# Allegro board STARRYSKY.brd (continued)
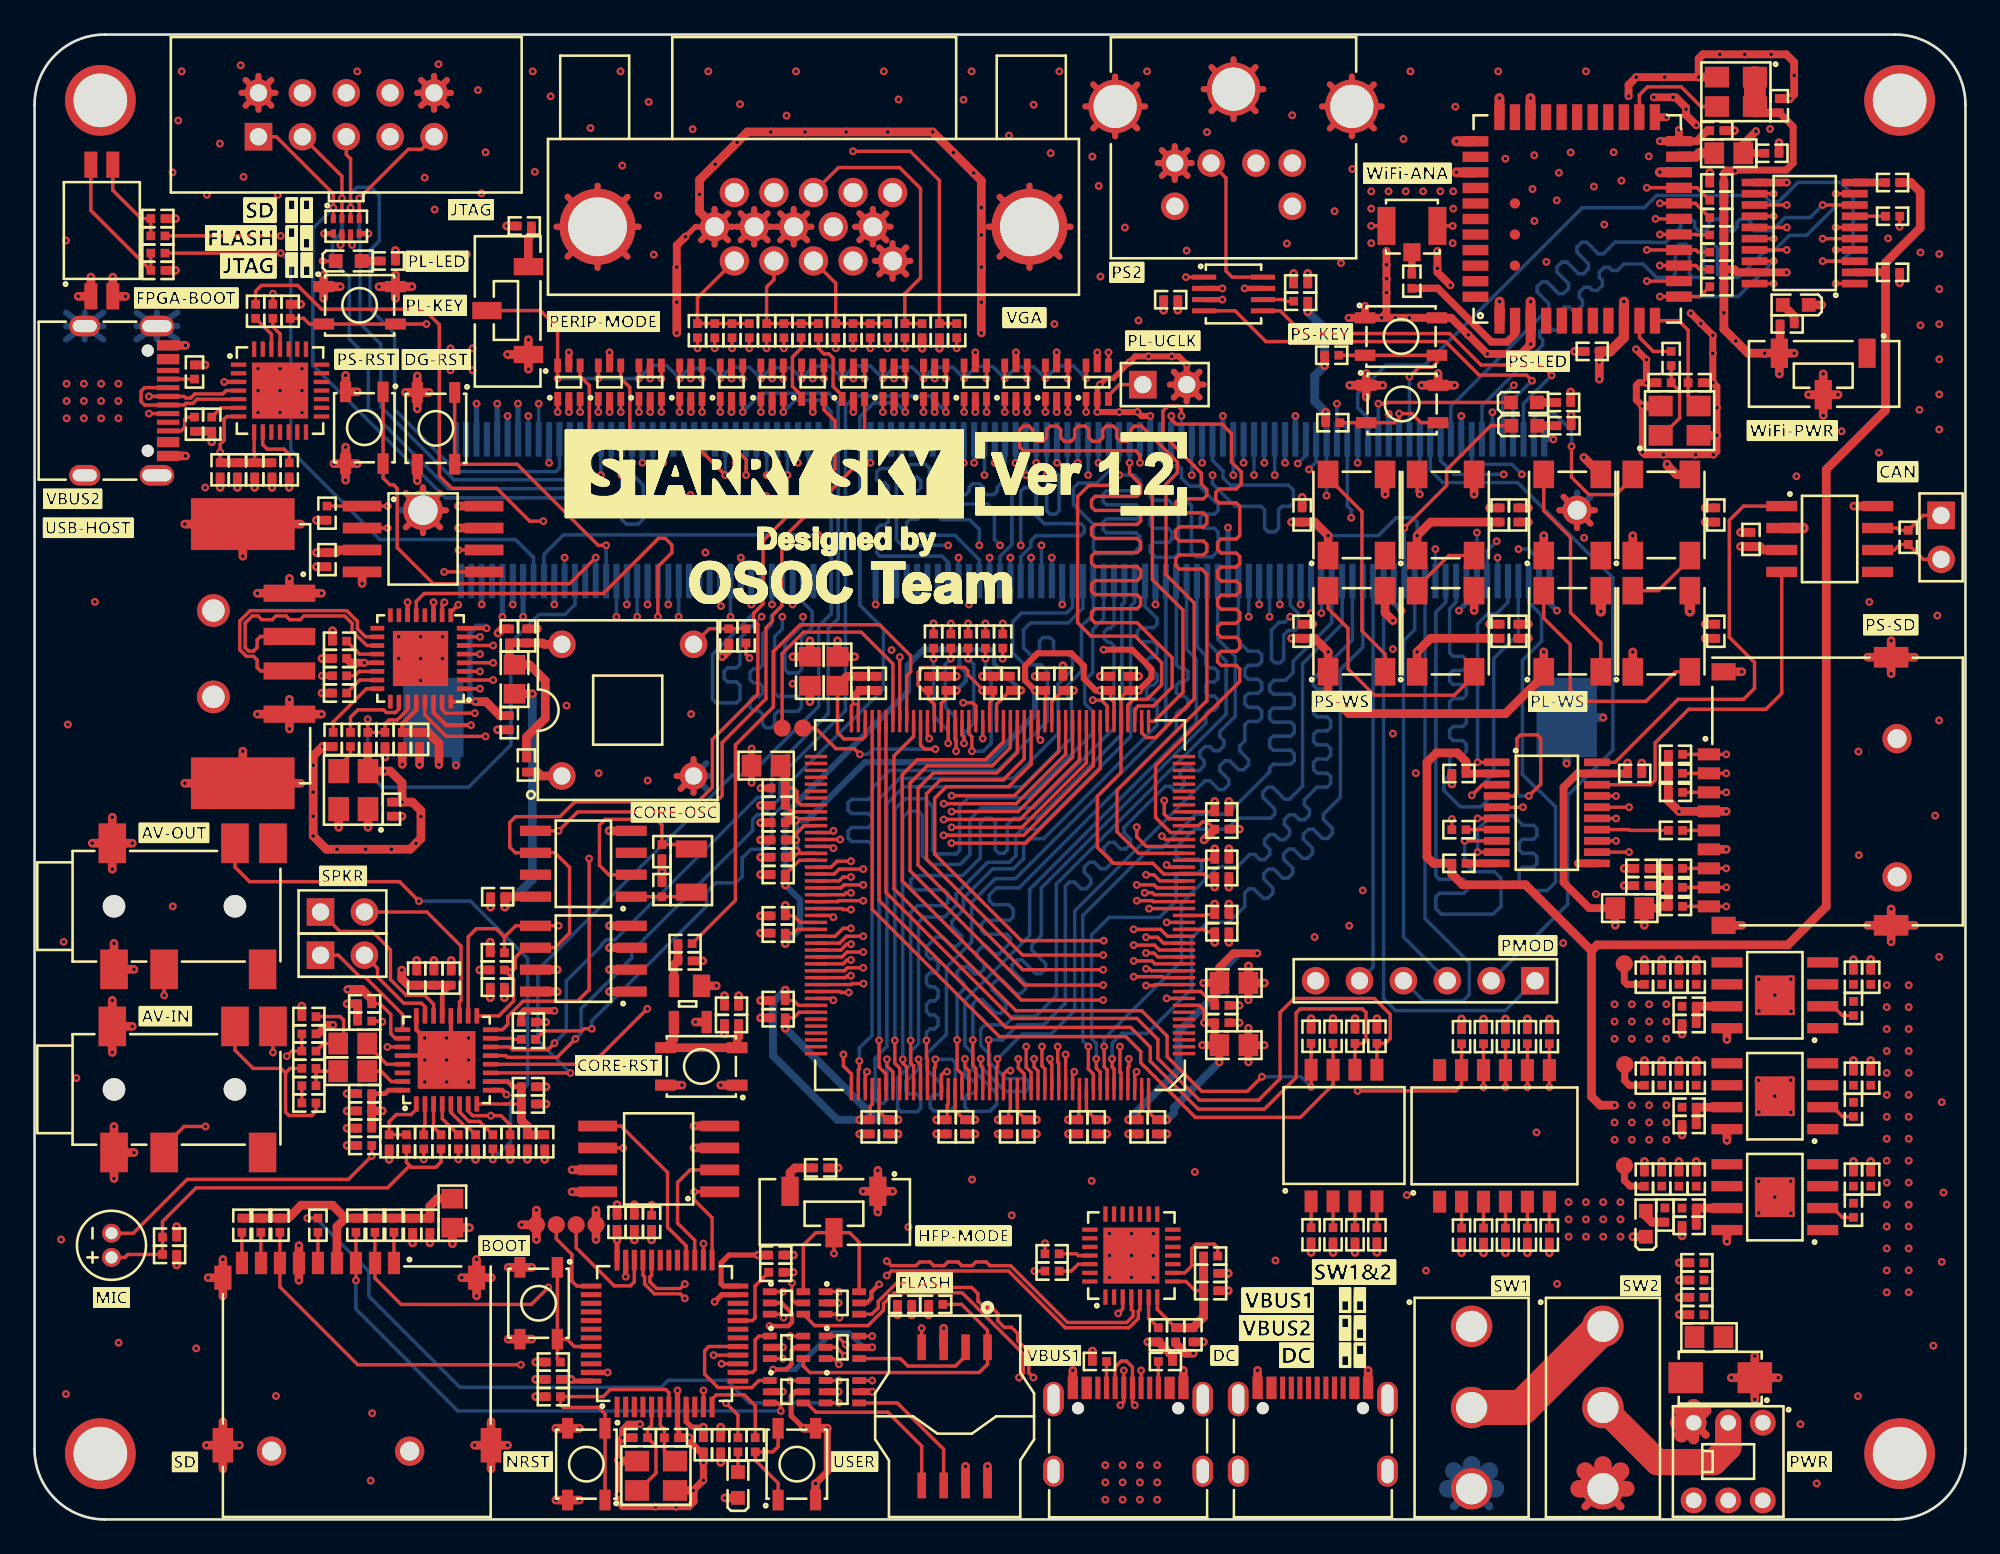
[diagram p0: board, top side]
## Routing (per net, layer and track width the routed paths; a pad name or vN(x,y) marks a point on that pad's centre or on a via; arc(x,y) is an arc through that point) (continued)
OSC_IN: length 14.2
  TOP w0.203: v1(41.38,49.87) 41.38,49.87 41.18,50.07 R6.2 ; v1(50.08,49.92) U3.81
  PWR04 w0.203: v1(41.38,49.87) 42.41,48.84 49,48.84 v1(50.08,49.92)
PL_I2C_SCL: length 57.2
  TOP w0.203: U29.17 26.87,29.15 27.73,30.01 27.73,31.27 R102.1 27.7,31.81 27.82,31.92 27.82,32.52 28.39,33.1 U21.6 30.12,33.1 30.97,33.94 30.97,37.75 30.12,38.59 U23.6 27.83,38.59 27.51,38.91 27.51,40.35 27.84,40.68 30.41,40.68 31.26,41.54 38.39,41.54 39.23,42.38 39.23,45.15 41.86,47.78 41.86,51.82 41.62,52.06 41.62,52.44 41.64,52.46 41.64,52.47 42.17,53 42.17,56.66 46.33,60.82 46.33,63.6 45.69,64.23 U32.3
PL_I2C_SDA: length 54.9
  TOP w0.203: U29.18 25.1,33.72 25.57,34.19 26.71,34.19 27.19,33.71 ; U23.5 v1(30.33,39.86) 31.43,40.96 38.85,40.96 39.8,41.9 39.8,44.97 42.33,47.51 42.33,51.62 42.71,52 42.71,52.35 43.25,52.89 43.25,56.73 48.04,61.52 U33.3 ; v1(30.33,34.37) U21.5 27.85,34.37 27.19,33.71 ; 27.19,33.71 R103.1
  ART03 w0.203: v1(30.33,39.86) v1(30.33,34.37)
PL_SPI_CLK: length 19.9
  TOP w0.203: U37.3 v1(38.63,64.1) ; U24.6 v1(24.54,56.12)
  ART03 w0.203: v1(24.54,56.12) 24.54,56.58 30.29,62.33 36.86,62.33 v1(38.63,64.1)
PL_SPI_CS: length 18.4
  TOP w0.203: R105.2 U24.1 v1(20.44,58.66) ; U34.3 v1(31.58,64.1)
  PWR04 w0.203: v1(20.44,58.66) 20.44,59.84 23.81,63.22 30.69,63.22 v1(31.58,64.1)
PL_SPI_MISO: length 19.5
  TOP w0.203: U35.3 v1(33.93,64.1) ; U24.2 v1(20.44,57.39)
  PWR04 w0.203: v1(33.93,64.1) 32.32,62.49 26.9,62.49 25.13,60.71 22.02,60.71 21.02,59.72 21.02,57.97 v1(20.44,57.39)
PL_SPI_MOSI: length 21.6
  TOP w0.203: U36.3 v1(36.28,64.1) ; U24.5 v1(23.71,54.85)
  PWR04 w0.203: v1(23.71,54.85) 23.71,55.95 24,56.24 24,58.85 24.53,59.37 25.15,59.37 27.5,61.72 33.89,61.72 v1(36.28,64.1)
PL_SW_SEL: length 54
  TOP w0.203: U27.6 v1(53.8,66.04) ; U31.6 v1(42.04,66.04) ; v1(30.28,66.04) U34.6 30.28,68.98 29.28,69.98 SW18.2 ; U35.6 v1(32.63,66.04) ; U33.6 v1(46.74,66.04) ; U39.6 v1(58.51,66.04) ; U38.6 v1(60.86,66.04) ; U28.6 v1(56.15,66.04) ; U25.6 v1(49.1,66.04) ; U26.6 v1(51.45,66.04) ; U36.6 v1(34.98,66.04) ; U32.6 v1(44.39,66.04) ; U30.6 v1(39.69,66.04) ; U37.6 v1(37.33,66.04)
  BOTTOM w0.203: v1(30.28,66.04) v1(32.63,66.04) v1(34.98,66.04) 35.73,66.79 36.58,66.79 v1(37.33,66.04) 37.91,66.62 39.11,66.62 v1(39.69,66.04) 40.33,66.69 41.4,66.69 v1(42.04,66.04) 42.65,66.66 43.78,66.66 v1(44.39,66.04) 45.11,66.76 46.03,66.76 v1(46.74,66.04) 47.48,66.78 48.37,66.78 v1(49.1,66.04) 49.76,66.7 50.79,66.7 v1(51.45,66.04) 52.09,66.69 53.16,66.69 v1(53.8,66.04) 54.49,66.73 55.47,66.73 v1(56.15,66.04) 56.82,66.71 57.84,66.71 v1(58.51,66.04) 59.23,66.77 60.14,66.77 v1(60.86,66.04)
PL_UCLK: length 2.4
  TOP w0.203: J15.1 62.79,65.69 62.16,65.06 U38.3
PL_ULED: length 55.3
  TOP w0.203: LED10.2 v1(16.67,72.84) ; U39.3 v1(59.81,64.1)
  ART03 w0.203: v1(16.67,72.84) 21.71,72.84 23.56,70.99 58.68,70.99 60.33,69.34 60.33,65.92 61.7,64.56 61.7,64.56 61.97,64.29 61.97,63.78 61.76,63.58 60.33,63.58 v1(59.81,64.1)
PLL_AVDD33: length 6.9
  TOP w0.203: C61.1 43.94,42.33 44.13,42.14 44.13,41.58 44.35,41.36 U3.96 ; U3.97 43.83,40.96 C62.1
  TOP w0.508: L4.1 43.45,43.36 C61.1 C62.1
PLL_CFG0: length 53.6
  TOP w0.203: U3.83 49.28,36.3 56.58,29 63.81,29 65.02,27.79 65.02,26.68 67.42,24.27 70.85,24.27 72.09,25.52 72.09,29.34 72.9,30.15 77.55,30.15 78.46,29.24 78.46,27.84 78.18,27.56 R23.1 SW4.5
PLL_CFG1: length 52.6
  TOP w0.203: SW4.6 R21.1 76.91,27.56 77.06,27.71 77.06,29.35 76.86,29.55 73.25,29.55 73.02,29.32 73.02,25.59 71.18,23.75 67.35,23.75 64.57,26.53 64.57,27.35 63.44,28.48 56.23,28.48 48.88,35.83 U3.84
PLL_CFG2: length 46.1
  TOP w0.203: R17.1 SW4.7 75.16,25.17 73.26,23.27 67.19,23.27 64.02,26.44 64.02,27.09 63.16,27.95 55.85,27.95 48.48,35.32 U3.85
PLLIO_AVDD33: length 7.9
  TOP w0.203: L6.1 46.48,45.55 46.85,45.18 47.93,45.18 48.08,45.33 U3.86
  TOP w0.508: C64.1 C63.1 47.03,48.81 L6.1
PLLIO_GND: length 8.1
  TOP w0.203: U3.87 47.68,47.2 v1(47.53,47.35) 47.28,47.1 U3.88
  TOP w0.457: v1(47.53,47.35) 47.53,47.74 C63.2
  TOP w0.508: L5.1 v1(44.88,47.33) ; C63.2 C64.2
  PWR04 w0.508: v1(47.53,47.35) 47.07,47.35 46.62,46.9 45.31,46.9 v1(44.88,47.33)
PROG_SW_SEL: length 33.7
  TOP w0.203: U9.6 v1(43.74,10.61) ; U10.6 v1(48.48,8.04) ; SW7.2 47.18,16.6 47.73,16.05 U6.6 ; SW7.2 v1(46.27,15.39) ; SW7.2 45.21,16.6 44.49,15.88 U7.6 ; U12.6 v1(48.48,10.61) ; U11.6 v1(43.74,8.04)
  ART03 w0.203: v1(43.74,10.61) 44.06,10.29 44.06,8.37 v1(43.74,8.04) 45.63,8.04 46.11,8.52 48.01,8.52 v1(48.48,8.04) 48.96,8.52 48.96,10.13 v1(48.48,10.61) 48.48,11.53 49.96,13.01 49.96,15.09 49.34,15.72 46.59,15.72 v1(46.27,15.39)
PS2_CLK: length 5.4
  TOP w0.203: U22.1 v1(66.64,71.91)
  ART03 w0.203: v1(66.64,71.91) 66,72.56 J13.5
PS2_DAT: length 8.9
  TOP w0.203: J13.1 68.96,77.65 68.96,72.27 69.32,71.91 U22.8
PS_CAN_RX: length 21.2
  TOP w0.203: U16.18 93.54,42.53 93.8,42.79 93.8,44.95 95.74,46.9 100.21,46.9 101.13,47.82 U15.4
PS_CAN_TX: length 24.6
  TOP w0.203: U16.20 91.48,43.83 95.13,47.48 98.92,47.48 99.55,48.11 99.55,49.61 98.09,51.07 98.09,57.83 98.92,58.66 U15.1
PS_MIO0: length 90
  TOP w0.203: R71.2 J6.9 v1(97.92,35.49)
  ART03 w0.203: v1(45.36,56.99) 50.45,56.99 53.16,59.71 68.34,59.71 68.78,60.15 68.78,60.98 69.45,61.65 74.01,61.65 77.44,58.23 77.44,52.21 79.08,50.57 79.08,50.2 91.13,38.14 95.26,38.14 v1(97.92,35.49)
  BOTTOM w0.203: J20.18 29.48,55.86 30.62,56.99 v1(45.36,56.99)
PS_MIO7: length 29
  TOP w0.203: U18.27 21.59,46.88 20.99,46.28 20.52,46.28 20.29,46.04 R79.2 C87.2 v1(19.28,46.32)
  BOTTOM w0.203: v1(19.28,46.32) 19.28,43.22 20.11,42.39 25.13,42.39 27.57,44.84 27.57,50.76 29.19,52.38 30.7,52.38 31.28,52.96 J20.24
PS_MIO8: length 22.5
  TOP w0.203: R78.2 v1(13.8,70.95)
  ART03 w0.203: v1(13.8,70.95) 16.29,68.46 17.05,68.46 22.41,63.09 28.73,63.09 29.18,63.55 v1(29.18,64.59)
  BOTTOM w0.203: J20.17 v1(29.18,64.59)
PS_MIO9: length 32.3
  TOP w0.203: v1(29.45,57.79) 28.65,57.79 26.75,59.69 24.15,59.69 23.43,60.41 23.43,69.16 22.53,70.06 16.6,70.06 15.22,71.44 13.13,71.44 12.79,71.1 R80.2
  ART03 w0.203: v1(29.45,57.79) 30.68,56.56 v1(30.68,55.68)
  BOTTOM w0.203: J20.22 v1(30.68,55.68)
PS_MIO16: length 12.3
  TOP w0.203: LED3.2 84.28,63.31 81.73,60.76 81.73,59.85 v1(79.28,57.4)
  BOTTOM w0.203: J20.176 v1(79.28,57.4)
PS_MIO17: length 9.8
  TOP w0.203: v1(77.78,64.59) 78.24,64.59 78.31,64.66 LED4.2
  BOTTOM w0.203: J20.171 v1(77.78,64.59)
PS_MIO18: length 7.8
  TOP w0.203: R88.1 SW14.3 78.72,63.49 78.98,63.74 v1(78.98,64.01) 79.72,64.01 80.25,63.49 SW14.4
  BOTTOM w0.203: J20.175 v1(78.98,64.01)
PS_MIO19: length 11.7
  TOP w0.203: R89.1 SW15.3 SW15.4 81.17,66.97 80.9,66.7 80.13,66.7 v1(79.58,66.14)
  BOTTOM w0.203: J20.177 v1(79.58,66.14)
PS_MIO20: length 4.4
  TOP w0.203: v1(80.18,59.34) 80.02,59.5 LED6.4
  BOTTOM w0.203: J20.179 v1(80.18,59.34)
PS_MIO21: length 33.9
  BOTTOM w0.203: J20.172 78.08,30.15 78.77,29.46 85.12,29.46 J12.1
PS_MIO22: length 41.2
  BOTTOM w0.203: J20.181 80.78,60.76 81.52,60.02 85.84,60.02 91.36,54.51 91.36,44.53 88.74,41.92 88.74,35.62 J12.2
PS_MIO23: length 24.5
  BOTTOM w0.203: J12.3 79.24,33.71 79.24,50.86 79.88,51.5 J20.178
PS_MIO24: length 29.5
  BOTTOM w0.203: J12.4 80.41,30.01 82.66,30.01 83.04,30.38 83.04,32.22 80.48,34.78 J20.180
PS_MIO25: length 23.5
  BOTTOM w0.203: J20.170 77.48,31.98 J12.5
PS_MIO26: length 34.4
  TOP w0.203: U19.1 v1(104.25,71.54)
  ART03 w0.203: v1(104.25,71.54) 104.25,69.91 102.3,67.96 101.66,67.96 101.39,67.7 101.39,67.67 96.82,63.1 86.39,63.1 81.08,57.78 v1(81.08,56.17)
  BOTTOM w0.203: J20.182 v1(81.08,56.17)
PS_MIO27: length 44.3
  TOP w0.203: U19.3 v1(103.5,72.84)
  BOTTOM w0.203: v1(103.5,72.84) 104.58,72.84 105.26,73.52 105.26,76.67 104.53,77.4 102.07,77.4 100.95,76.28 100.47,76.28 100.11,76.64 93.88,76.64 93.17,75.93 89.58,75.93 80.47,66.82 78.23,66.82 76.59,65.18 76.59,64.34 77.18,63.75 J20.169
PS_MIO28: length 23.7
  TOP w0.203: U18.7 v1(25.78,51.09)
  PWR04 w0.203: v1(36.68,52.96) 36.68,55.67 37.99,56.98 37.99,57.52 37.3,58.21 36.79,58.21 32.58,53.99 27.6,53.99 25.46,51.85 25.46,51.41 v1(25.78,51.09)
  BOTTOM w0.203: J20.42 v1(36.68,52.96)
PS_MIO29: length 25.9
  TOP w0.203: U18.31 23.59,46.88 23.79,46.67 v1(25.48,46.67)
  ART03 w0.203: v1(25.48,46.67) 25.89,46.26 27.94,46.26 28.24,46.57 28.24,46.91 28.04,47.12 26.47,47.12 26.27,47.32 26.27,47.73 26.47,47.93 28.04,47.93 28.24,48.13 28.24,48.97 29.36,50.1 29.36,51.05 30.19,51.88 31.58,51.88 32.48,50.99 36.16,50.99 36.36,51.19 36.36,51.55 36.16,51.76 35.38,51.76 v1(34.88,52.25)
  BOTTOM w0.203: J20.36 v1(34.88,52.25)
PS_MIO30: length 26
  TOP w0.203: U18.29 22.59,46.57 23.83,45.33 v1(26.1,45.33)
  PWR04 w0.203: v1(37.28,52.25) 37.28,53.09 37.48,53.29 37.87,53.29 38.07,53.08 38.07,51.95 37.87,51.74 29.99,51.74 28.57,50.32 28.57,49.31 26.1,46.85 v1(26.1,45.33)
  BOTTOM w0.203: J20.44 v1(37.28,52.25)
PS_MIO31: length 24.7
  TOP w0.203: U18.2 v1(26.54,48.59)
  PWR04 w0.203: v1(26.54,48.59) 25.29,48.59 24.76,49.11 24.76,52.49 27.02,54.75 30.56,54.75 32.75,56.93 34.01,56.93 36.38,59.31 v1(36.38,61.16)
  BOTTOM w0.203: J20.41 v1(36.38,61.16)
PS_MIO32: length 24
  TOP w0.203: U18.3 v1(25.78,49.09)
  ART03 w0.203: v1(25.78,49.09) 27.23,49.09 28.64,50.49 28.64,51.74 29.29,52.39 31.83,52.39 32.58,51.64 34.05,51.64 34.25,51.85 34.25,52.28 34.95,52.98 34.95,53.33 35.19,53.57 37.46,53.57 37.67,53.78 37.67,54.32 37.42,54.57 34.09,54.57 33.87,54.35 33.87,53.38 v1(34.28,52.96)
  BOTTOM w0.203: J20.34 v1(34.28,52.96)
PS_MIO33: length 25.7
  TOP w0.203: U18.4 v1(26.54,49.59)
  ART03 w0.203: v1(33.38,61.16) 31.88,61.16 30.7,59.99 30.41,59.99 30.18,60.22 29.89,60.22 29.6,59.94 29.6,59.65 29.84,59.41 29.84,59.13 29.55,58.84 29.26,58.84 29.03,59.07 28.74,59.07 28.45,58.79 28.45,58.5 28.69,58.26 28.69,57.98 28.4,57.69 28.11,57.69 27.88,57.92 27.59,57.92 27.3,57.64 27.3,57.35 27.54,57.11 27.54,56.83 27.25,56.54 26.96,56.54 26.73,56.78 26.44,56.78 26.15,56.49 26.15,56.2 26.39,55.96 26.39,55.68 26.1,55.39 25.81,55.39 25.58,55.63 25.29,55.63 25,55.34 25,55.05 25.24,54.82 25.24,52.63 24.59,51.98 24.59,50.35 25.35,49.59 v1(26.54,49.59)
  BOTTOM w0.203: J20.31 v1(33.38,61.16)
PS_MIO34: length 23.6
  TOP w0.203: U18.5 v1(25.78,50.09)
  ART03 w0.203: v1(25.78,50.09) 27.29,50.09 27.74,50.54 27.74,52.36 27.92,52.54 27.92,52.55 28.89,53.52 31.13,53.52 35.19,57.58 35.48,57.58 35.83,57.22 35.83,56.93 33.24,54.34 33.24,52.69 v1(33.68,52.25)
  BOTTOM w0.203: J20.32 v1(33.68,52.25)
PS_MIO35: length 24.8
  TOP w0.203: U18.6 v1(26.54,50.59)
  ART03 w0.203: v1(26.54,50.59) 25.58,50.59 25.32,50.85 25.32,51.49 27.85,54.01 29.92,54.01 31.79,55.88 31.79,56.17 31.38,56.58 31.38,56.87 31.67,57.16 31.96,57.16 32.37,56.75 32.66,56.75 32.94,57.03 32.94,57.32 32.53,57.73 32.53,58.02 32.82,58.31 33.11,58.31 33.52,57.9 33.81,57.9 34.09,58.18 34.09,58.47 33.68,58.88 33.68,59.17 33.97,59.46 34.26,59.46 34.67,59.05 34.96,59.05 35.78,59.87 v1(35.78,60.45)
  BOTTOM w0.203: J20.39 v1(35.78,60.45)
PS_MIO36: length 24.1
  TOP w0.203: U18.1 v1(25.78,48.09)
  PWR04 w0.203: v1(25.78,48.09) 23.31,48.09 22.9,48.5 22.9,52.25 22.58,52.57 22.58,53.23 23.74,54.39 23.9,54.39 29.96,60.45 v1(32.78,60.45)
  BOTTOM w0.203: J20.29 v1(32.78,60.45)
PS_MIO37: length 25
  TOP w0.203: U18.9 24.09,52.51 v1(24.52,52.94)
  PWR04 w0.203: v1(24.52,52.94) 24.52,53.51 27.55,56.54 27.84,56.54 29.01,55.37 29.3,55.37 29.58,55.65 29.58,55.94 28.41,57.11 28.41,57.4 29.58,58.57 31.29,58.57 31.5,58.37 31.5,57.73 31.7,57.53 32.1,57.53 32.31,57.73 32.31,58.37 32.51,58.57 32.92,58.57 33.12,58.37 33.12,57.73 33.32,57.53 33.73,57.53 33.93,57.73 33.93,58.37 34.14,58.57 34.64,58.57 35.37,59.3 35.37,59.92 34.58,60.71 v1(34.58,61.16)
  BOTTOM w0.203: J20.35 v1(34.58,61.16)
PS_MIO38: length 23.6
  TOP w0.203: U18.10 23.59,52.97 v1(23.72,53.09)
  PWR04 w0.203: v1(23.72,53.09) 23.72,53.55 29.46,59.3 32.82,59.3 v1(33.98,60.45)
  BOTTOM w0.203: J20.33 33.98,61.11 35.23,59.86 35.23,57.91 34.94,57.62 34.26,57.62 33.98,57.89 v1(33.98,60.45)
PS_MIO39: length 23.8
  TOP w0.203: v1(36.08,52.25) 36.08,55.16 36.89,55.97 36.89,56.4 36.5,56.79 36.11,56.79 32.92,53.6 22.55,53.6 22.09,53.14 U18.13
  BOTTOM w0.203: J20.40 v1(36.08,52.25)
PS_MIO40: length 34.6
  TOP w0.203: R75.1 v1(82.03,40.54)
  PWR04 w0.203: v1(82.03,40.54) 80.52,42.05 80.52,43.59 79.41,44.7 79.41,45.2 79.61,45.41 80.19,45.41 80.39,45.61 80.39,46.02 80.19,46.22 79.61,46.22 79.41,46.42 79.41,46.83 79.61,47.03 80.19,47.03 80.39,47.24 80.39,47.64 80.19,47.85 79.61,47.85 79.41,48.05 79.41,48.46 79.61,48.66 80.19,48.66 80.39,48.86 80.39,49.27 80.19,49.47 79.61,49.47 79.41,49.67 79.41,51.18 80.52,52.29 80.52,57.55 83.47,60.5 v1(85.04,60.5)
  BOTTOM w0.203: J20.183 81.38,61.29 82.18,60.49 84.57,60.49 84.58,60.5 v1(85.04,60.5)
PS_MIO41: length 33.8
  TOP w0.203: U16.6 v1(83.52,40.58)
  PWR04 w0.203: v1(83.52,40.58) 82.82,39.87 81.26,39.87 77.91,43.22 77.91,58.07 83.92,64.09 v1(84.38,64.09)
  BOTTOM w0.203: J20.193 v1(84.38,64.09)
PS_MIO42: length 33.7
  TOP w0.203: U16.8 v1(82.77,39.28)
  BOTTOM w0.203: v1(82.77,39.28) 82.77,38.01 83.29,37.5 84.5,37.5 84.88,37.12 84.88,35.49 84.43,35.04 81.42,35.04 81.11,35.36 81.11,36.04 81.31,36.25 82.72,36.25 82.93,36.45 82.93,36.86 82.72,37.06 81.31,37.06 81.11,37.26 81.11,52.52 81.68,53.09 J20.184
PS_MIO43: length 33.5
  TOP w0.203: U16.9 v1(83.52,38.63)
  BOTTOM w0.203: v1(83.52,38.63) 83.52,39.96 83.69,40.12 83.71,40.12 83.98,40.39 83.98,40.42 84.3,40.73 85.59,40.73 86.13,40.19 86.75,40.19 86.96,39.98 86.96,39.58 86.75,39.37 86.13,39.37 85.93,39.17 85.93,38.76 86.13,38.56 86.75,38.56 86.96,38.36 86.96,37.95 86.75,37.75 86.13,37.75 85.93,37.55 85.93,36.91 86.44,36.4 87.55,36.4 88.04,36.89 88.04,41.25 87.13,42.15 87.08,42.15 86.12,43.12 86.12,49.73 87.23,50.84 87.23,52.34 86.48,53.09 J20.200
PS_MIO44: length 33.4
  TOP w0.203: U16.4 85.61,41.88 85.8,42.07 85.8,45.21 86.01,45.41 86.98,45.41 87.18,45.21 87.18,42.57 v1(86.49,41.88)
  BOTTOM w0.203: J20.186 82.28,53.09 81.9,52.71 81.9,50.16 82.11,49.96 82.67,49.96 82.87,49.76 82.87,49.35 82.67,49.15 82.11,49.15 81.9,48.94 81.9,48.54 82.11,48.33 82.67,48.33 82.87,48.13 82.87,47.73 82.67,47.52 82.11,47.52 81.9,47.32 81.9,46.91 82.11,46.71 82.67,46.71 82.87,46.51 82.87,46.1 82.67,45.9 82.11,45.9 81.9,45.69 81.9,45.29 82.11,45.08 82.67,45.08 82.87,44.88 82.87,44.47 82.67,44.27 82.11,44.27 81.9,44.07 81.9,43.09 81.58,42.76 81.58,42.2 82.53,41.25 83.7,41.25 84.33,41.88 v1(86.49,41.88)
PS_MIO45: length 33.4
  TOP w0.203: U16.5 v1(86.15,41.23)
  PWR04 w0.203: v1(86.08,60.5) 85.43,59.84 84.83,59.84 82.56,57.57 82.56,53.37 81.99,52.8 81.99,46.24 84.56,43.66 84.56,39.68 84.97,39.26 85.78,39.26 86.15,39.63 v1(86.15,41.23)
  BOTTOM w0.203: v1(86.08,60.5) 85.5,61.08 83.39,61.08 83.18,61.29 J20.189
PS_MIO46: length 39.5
  TOP w0.203: U19.8 v1(103.5,76.09)
  BOTTOM w0.203: J20.185 81.98,64.44 87.64,70.1 87.64,70.39 86.97,71.06 86.97,71.35 87.25,71.63 87.54,71.63 88.21,70.96 88.5,70.96 88.79,71.25 88.79,71.54 88.12,72.21 88.12,72.49 88.4,72.78 88.69,72.78 89.36,72.11 89.65,72.11 89.94,72.4 89.94,72.69 89.27,73.36 89.27,73.64 89.55,73.93 89.84,73.93 90.51,73.26 90.8,73.26 91.48,73.94 93.51,73.94 93.53,73.92 94.4,73.92 95.28,74.8 95.28,75.06 95.49,75.27 95.89,75.27 96.1,75.06 96.1,74.8 96.3,74.6 96.7,74.6 96.91,74.8 96.91,75.06 97.11,75.27 97.52,75.27 97.72,75.06 97.72,74.8 97.92,74.6 98.33,74.6 98.53,74.8 98.53,75.06 98.74,75.27 99.14,75.27 99.35,75.06 99.35,74.8 99.55,74.6 100.56,74.6 101.32,75.36 102.77,75.36 v1(103.5,76.09)
PS_MIO47: length 39.4
  TOP w0.203: U19.6 v1(104.25,74.79)
  ART03 w0.203: v1(104.25,74.79) 104.25,74.24 103.67,73.67 103.67,73.36 105.24,71.8 105.24,69.75 97.58,62.09 96.98,62.09 96.71,61.82 96.71,61.22 96.13,60.64 91.36,60.64 91.16,60.84 91.16,61.57 90.95,61.78 90.55,61.78 90.35,61.57 90.35,60.86 90.13,60.64 87.59,60.64 85.73,58.78 85.73,58.03 84.82,57.13 v1(83.48,57.13)
  BOTTOM w0.203: J20.190 v1(83.48,57.13)
PS_MIO48: length 39.9
  TOP w0.203: R96.1 v1(107.95,74.83)
  ART03 w0.203: v1(84.68,55.68) 85,55.35 98.6,55.35 108.61,65.37 108.61,74.17 v1(107.95,74.83)
  BOTTOM w0.203: J20.194 v1(84.68,55.68)
PS_MIO49: length 39.8
  TOP w0.203: U19.9 v1(104.25,76.74)
  BOTTOM w0.203: J20.191 83.78,64.47 87.3,67.98 87.3,68.27 87.11,68.45 87.11,68.74 87.4,69.03 87.69,69.03 87.87,68.84 88.16,68.84 88.45,69.13 88.45,69.42 88.26,69.6 88.26,69.89 88.55,70.18 88.84,70.18 89.02,69.99 89.31,69.99 89.6,70.28 89.6,70.57 89.41,70.75 89.41,71.04 89.7,71.33 89.99,71.33 90.17,71.14 90.46,71.14 90.75,71.43 90.75,71.72 90.56,71.9 90.56,72.19 90.85,72.47 91.14,72.47 91.32,72.29 91.61,72.29 91.99,72.67 93.09,72.67 93.87,71.9 94.76,71.9 94.97,72.1 94.97,73.61 95.17,73.81 95.58,73.81 95.78,73.61 95.78,72.1 95.98,71.9 96.39,71.9 96.59,72.1 96.59,73.61 96.79,73.81 97.2,73.81 97.4,73.61 97.4,72.1 97.61,71.9 98.62,71.9 100.15,73.42 100.67,73.42 101.58,74.33 102.57,74.33 104.25,76.01 v1(104.25,76.74)
PS_MIO50: length 39.3
  TOP w0.203: U19.4 v1(104.25,73.49)
  ART03 w0.203: v1(104.25,73.49) 105.99,71.75 105.99,69.49 96.38,59.89 93.13,59.89 92.93,59.69 92.93,58.92 92.73,58.72 92.32,58.72 92.12,58.92 92.12,59.69 91.92,59.89 91.51,59.89 91.31,59.69 91.31,58.92 91.1,58.72 90.7,58.72 90.49,58.92 90.49,59.69 90.29,59.89 88.54,59.89 87.53,58.88 87.53,57.93 86.22,56.63 v1(84.63,56.63)
  BOTTOM w0.203: J20.192 84.08,56.08 v1(84.63,56.63)
PS_MIO51: length 40.3
  TOP w0.203: U19.5 v1(103.5,74.14)
  ART03 w0.203: v1(85.89,56.17) 87.87,56.17 89,57.3 92.21,57.3 94.29,59.38 97.65,59.38 106.62,68.36 106.62,73.28 104.57,75.34 103.79,75.34 103.5,75.05 v1(103.5,74.14)
  BOTTOM w0.203: J20.202 87.08,55.55 86.46,56.17 v1(85.89,56.17)
PS_MIO52: length 12.6
  TOP w0.203: U16.1 v1(83.52,43.83)
  BOTTOM w0.203: J20.196 85.28,53.09 84.61,52.42 84.1,52.42 83.52,51.84 v1(83.52,43.83)
PS_MIO53: length 15.2
  TOP w0.203: U16.3 83.8,42.53 v1(83.19,41.92)
  BOTTOM w0.203: J20.198 85.88,51.25 84.45,49.83 84.45,43.18 v1(83.19,41.92)
PS_SD_CLK: length 4.2
  TOP w0.203: U16.14 92.29,39.93 92.33,39.89 R66.1
PS_SD_CMD: length 10.6
  TOP w0.203: v1(97.92,42.09) J6.3 R62.2 ; U16.15 v1(91.54,40.58)
  ART03 w0.203: v1(97.92,42.09) 95.44,42.09 93.93,40.58 v1(91.54,40.58)
PS_SD_D0: length 10.7
  TOP w0.203: U16.13 v1(91.54,39.28) ; R67.2 J6.7 v1(97.92,37.69)
  ART03 w0.203: v1(91.54,39.28) 96.32,39.28 v1(97.92,37.69)
PS_SD_D1: length 10.9
  TOP w0.203: U16.12 v1(92.29,38.63) ; R69.2 J6.8 v1(97.92,36.59)
  ART03 w0.203: v1(92.29,38.63) 95.87,38.63 v1(97.92,36.59)
PS_SD_D2: length 11
  TOP w0.203: v1(97.92,44.29) J6.1 R63.2 ; U16.17 v1(91.54,41.88)
  ART03 w0.203: v1(97.92,44.29) 95.53,44.29 93.12,41.88 v1(91.54,41.88)
PS_SD_D3: length 10.8
  TOP w0.203: R61.2 J6.2 v1(97.92,43.19) ; U16.16 v1(92.29,41.23)
  ART03 w0.203: v1(97.92,43.19) 95.42,43.19 93.46,41.23 v1(92.29,41.23)
PS_SRST_B: length 16.9
  TOP w0.203: v1(33.08,56.39) 32.62,56.39 27.93,61.08 SW11.2 SW11.1
  BOTTOM w0.203: J20.30 v1(33.08,56.39)
PS_UART_DN: length 8.1
  TOP w0.203: J8.B7 6.37,65.51 6.16,65.31 6.16,64.71 6.37,64.51 7.73,64.51 J8.A7 8.66,64.51 8.75,64.61 9.17,64.61 9.41,64.85 U17.5
PS_UART_DP: length 7.5
  TOP w0.203: v1(6.62,65.01) J8.A6 8.66,65.01 8.75,64.91 9.04,64.91 9.28,65.15 10.89,65.15 11.08,65.35 U17.4 ; J8.B6 v1(6.62,64.01)
  PWR04 w0.203: v1(6.62,65.01) v1(6.62,64.01)
PS_USB_DN: length 13.8
  TOP w0.203: U18.19 19.23,50.59 18.38,51.44 18.38,51.87 17.95,52.3 15.59,52.3 15.37,52.08 14.77,52.08 14.56,52.3 13.96,52.3 13.74,52.08 13.15,52.08 12.93,52.3 12.6,52.3 12.19,51.88 12.19,50.47 12.39,50.27 12.68,50.27 12.88,50.47 12.88,50.91 13.08,51.11 J10.2
PS_USB_DP: length 14.4
  TOP w0.203: J10.3 13.08,49.11 12.88,49.32 12.88,49.76 12.68,49.96 12.26,49.96 11.88,50.34 11.88,52.01 12.47,52.6 18.07,52.6 18.68,51.99 18.68,51.56 19.16,51.09 U18.18
PS_WF_CLK: length 9.4
  TOP w0.203: U19.14 v1(100.66,75.44) ; U20.17 v1(93.82,75.28)
  ART03 w0.203: v1(100.66,75.44) 99.27,75.44 99.11,75.28 v1(93.82,75.28)
PS_WF_CMD: length 12.3
  TOP w0.203: v1(94.07,74.38) U20.16 96.16,74.38 96.18,74.36 R95.1 ; U19.15 v1(101.41,74.79)
  ART03 w0.203: v1(94.07,74.38) 99.54,74.38 99.94,74.79 v1(101.41,74.79)
PS_WF_D0: length 12.7
  TOP w0.203: U19.13 v1(101.41,76.09) ; v1(94.07,76.18) U20.18 96.13,76.18 R97.1
  ART03 w0.203: v1(101.41,76.09) 100.2,76.09 99.78,76.51 94.4,76.51 v1(94.07,76.18)
PS_WF_D1: length 12.5
  TOP w0.203: U19.12 v1(100.66,76.74) ; R98.1 96.23,77.08 U20.19 v1(93.32,77.08)
  ART03 w0.203: v1(93.32,77.08) 100.32,77.08 v1(100.66,76.74)
PS_WF_D2: length 12.6
  TOP w0.203: U19.17 v1(101.41,73.49) ; R93.1 96.38,72.36 96.16,72.58 U20.14 v1(94.07,72.58)
  ART03 w0.203: v1(94.07,72.58) 99.76,72.58 100.66,73.49 v1(101.41,73.49)
PS_WF_D3: length 12.4
  TOP w0.203: R94.1 96.28,73.36 96.16,73.48 U20.15 v1(93.32,73.48) ; U19.16 v1(100.66,74.14)
  ART03 w0.203: v1(93.32,73.48) 99.55,73.48 100.2,74.14 v1(100.66,74.14)
PS_WF_REG_ON: length 11.7
  TOP w0.203: U19.18 v1(100.66,72.84) ; R92.1 96.38,70.78 U20.12 v1(94.07,70.78)
  BOTTOM w0.203: v1(94.07,70.78) 98.61,70.78 v1(100.66,72.84)
PS_WF_WAKE: length 10.4
  TOP w0.203: U19.20 v1(100.66,71.54) ; U20.13 v1(93.32,71.68)
  ART03 w0.203: v1(93.32,71.68) 100.06,71.68 100.2,71.54 v1(100.66,71.54)
QSPI_D2: length 27.9
  TOP w0.203: R70.2 v1(14.25,74.3)
  ART03 w0.203: v1(28.58,63.88) 28.58,65.56 25.67,68.47 22.14,68.47 20.42,70.19 17.92,70.19 15.25,72.87 15.25,73.3 v1(14.25,74.3)
  BOTTOM w0.203: J20.15 v1(28.58,63.88)
QSPI_D3: length 36.3
  TOP w0.203: R68.2 v1(14.25,73.3)
  BOTTOM w0.203: v1(14.25,73.3) 14.83,72.72 14.83,61.88 19.98,56.73 27.83,56.73 28.88,55.68 J20.16
RESET_POR: length 23.8
  TOP w0.203: v1(32.48,55.68) 30.97,54.17 23.07,54.17 20.99,56.26 20.99,59.69 20.78,59.89 20.57,59.89 20.17,60.29 SW13.2 SW13.1
  BOTTOM w0.203: J20.28 v1(32.48,55.68)
SPI_CLK: length 93.1
  TOP w0.203: U10.3 v1(46.54,6.74) ; R30.2 v1(52.03,51.86) ; R47.1 v1(15.79,17.44)
  PWR04 w0.203: v1(46.54,6.74) 45.19,6.74 44.11,5.66 43.07,5.66 41.98,6.75 41.98,9.51 44.78,12.31 44.78,43.75 50.55,49.52 50.55,50.38 v1(52.03,51.86)
  BOTTOM w0.203: v1(15.79,17.44) 16.27,17.44 19.36,14.36 19.36,12.92 24.62,7.65 36.27,7.65 36.67,8.05 40.07,8.05 41.38,6.74 v1(46.54,6.74)
SPI_CS0: length 47.9
  TOP w0.203: R29.2 v1(53.03,51.86) ; U9.3 v1(43.31,9.31)